# Altium PCB PCB1.PcbDoc (part 2 of 3) (continued)
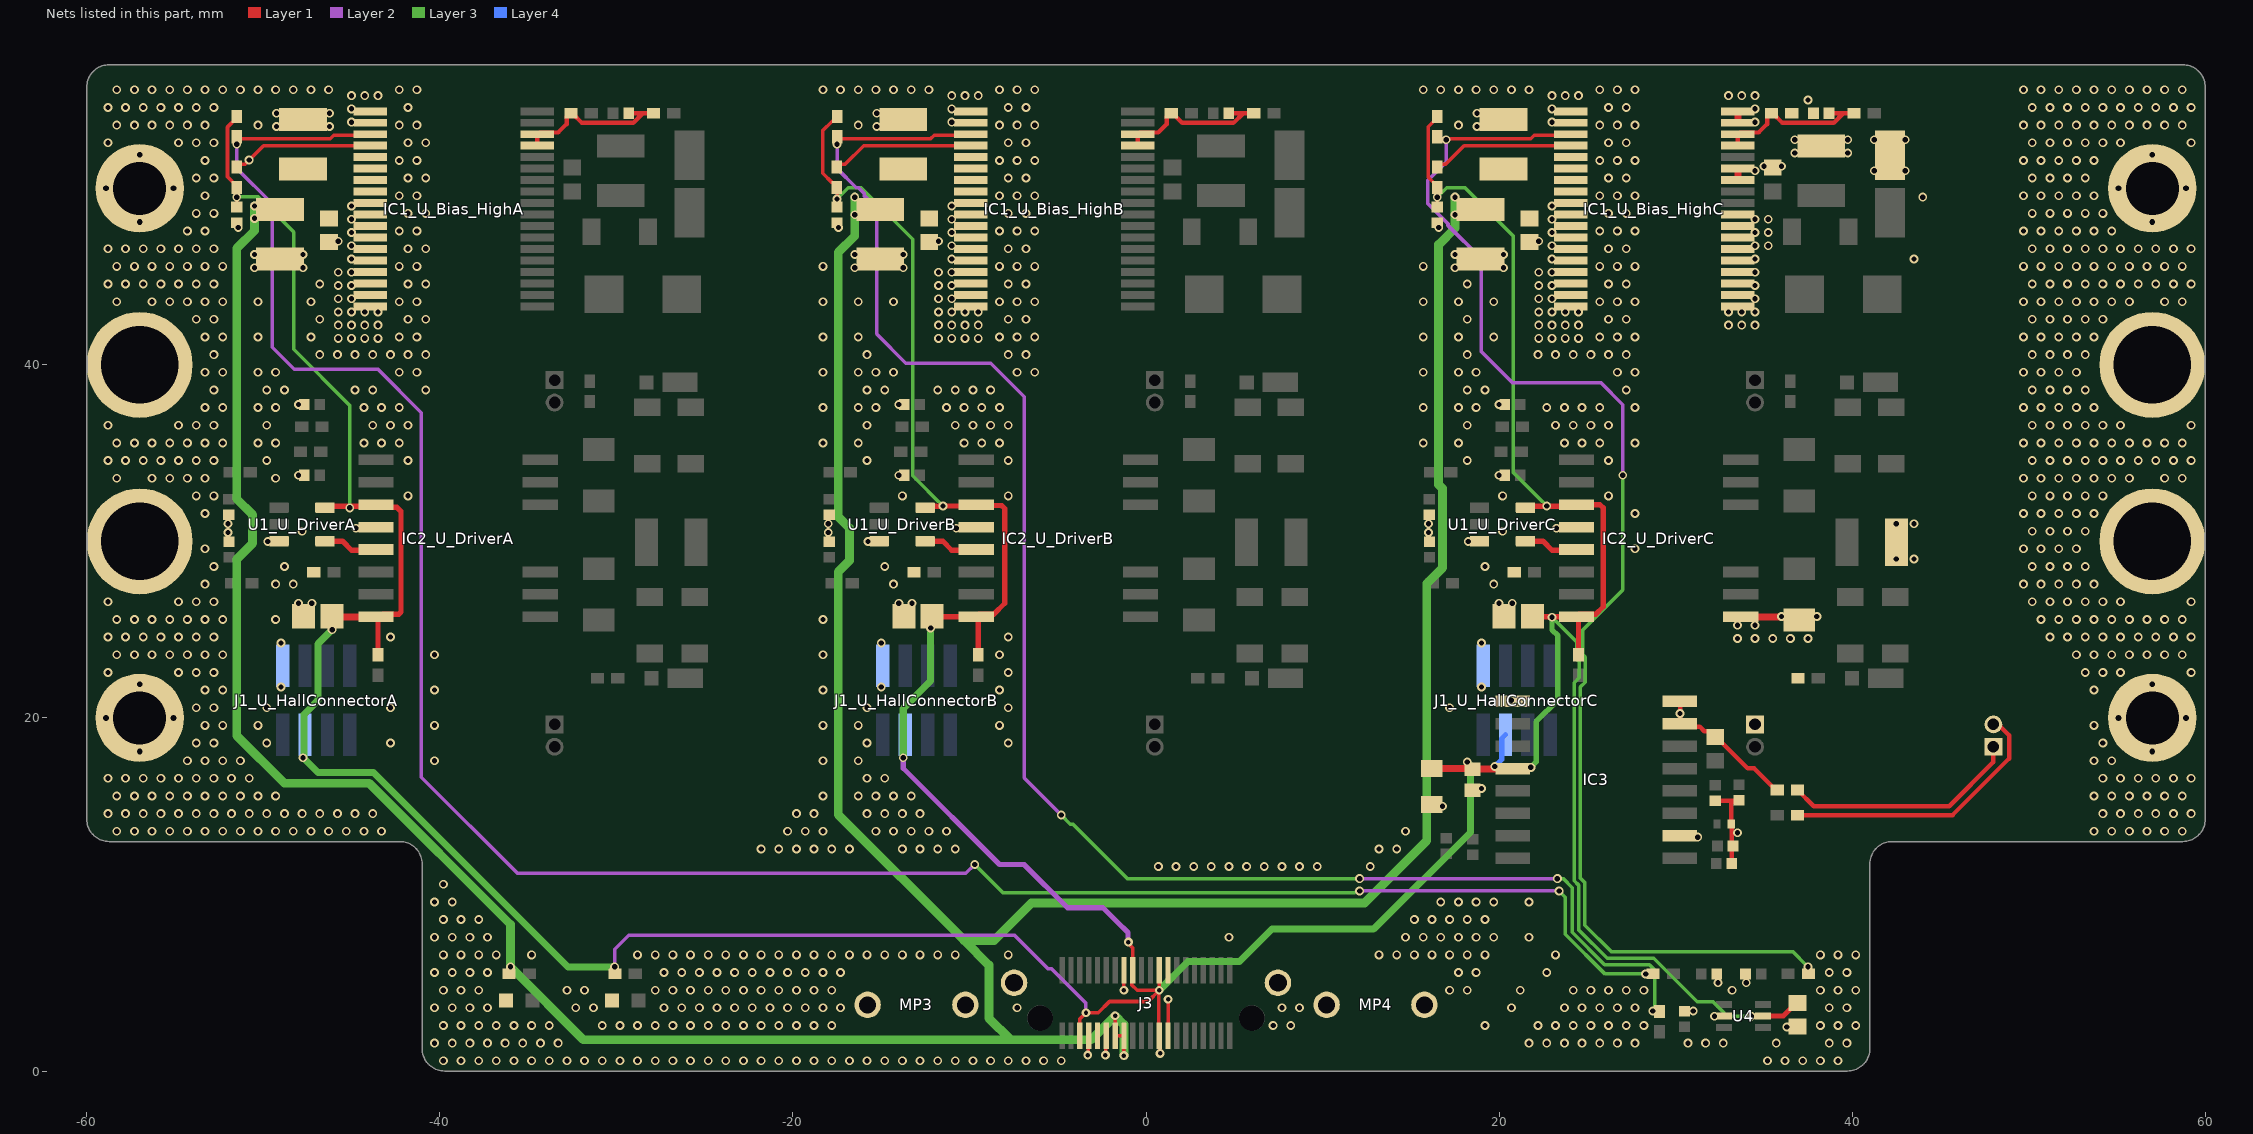
[diagram p4: the nets of this part, all layers, seen from the top]
## Part data (continued)
R5 R7: library part "WR04X100 JTL", "RES 10 OHM 5% 1/16W 0402", Device Package="0402 (1005 Metric)", Manufacturer="Walsin Technology Corporation", Operating Temperature="-55°C ~ 155°C", Power (Watts)="0.063W, 1/16W", Supplier Device Package=0402, Supplier Part Number 1=1292-WR04X100JTLCT-ND, Temperature Coefficient="-200/ +400ppm/°C", Tolerance=±5%, componentlink1description=Datasheet, componentlink1url=https://www.passivecomponent.com/wp-content/uploads/chipR/ASC_WR.pdf, ComponentLink2Description="DigiKey Link", ComponentLink2URL=https://www.digikey.com/en/products/detail/walsin-technology-corporation/WR04X100-JTL/13241174, Composition="Thick Film", Height - Seated (Max)="0.016\" (0.40mm)", lastupdated="2/9/2024 8:28:55 PM", Lifecycle Status=Active, Minimum Order=1, Number of Terminations=2, Package / Case="0402 (1005 Metric)", packaging=CutTape, Part Number="WR04X100 JTL", Part Status=Active, partid=64776, Price=0.01, Resistance="10 Ohms", Series=WR, Size / Dimension="0.039\" L x 0.020\" W (1.00mm x 0.50mm)", Supplier 1=DigiKey
U1_U_DriverA U1_U_DriverB U1_U_DriverC: library part CMP-0859-00172-4, "IC GATE NAND 1CH 2-INP SOT23-5", Ambient Temperature Range High=+125°C, Ambient Temperature Range Low=-40°C, Manufacturer="Texas Instruments", Max Junction Temp=+150°C, Max Supply Voltage=5.5V, Min Supply Voltage=2V, Nominal Supply Current=1uA, Package=DBV0005A, Temperature="-40°C to +125°C", Automotive=No, Category=IC, ComponentLink2Description=Datasheet, ComponentLink2URL=https://www.ti.com/lit/ds/symlink/sn74ahc1g00.pdf, Device Class L1="Integrated Circuits (ICs)", Device Class L2="Logic ICs", Device Class L3="Logic Gates", Digikey Description="IC GATE NAND 1CH 2-INP SOT23-5", Height=1.45mm, Lead Free=Yes, Logic Function Desc=NAND, Manufacturer Part Number=SN74AHC1G00DBVR, Number Of Circuits=1, Number Of Inputs=2, Number Of Outputs=1, Octopart=https://octopart.com/sn74ahc1g00dbvr-texas+instruments-464400, Propagation Delay=5.2ns, RoHS=TRUE, Standoff Height=0mm, Temperature Range High=+125°C, Temperature Range Low=-40°C
U4: library part CMP-0859-00464-4, "IC GATE OR 1CH 3-INP SC70-6", Ambient Temperature Range High=+125°C, Ambient Temperature Range Low=-40°C, Manufacturer="Texas Instruments", Max Supply Voltage=5.5V, Min Supply Voltage=1.65V, Nominal Supply Current=10uA, Package=DCK0006A, Temperature="-40°C to +125°C", Automotive=No, Category=IC, ComponentLink2Description=Datasheet, ComponentLink2URL=http://www.ti.com/lit/ds/symlink/sn74lvc1g332.pdf, Device Class L1="Integrated Circuits (ICs)", Device Class L2="Logic ICs", Device Class L3="Logic Gates", Digikey Description="IC GATE OR 1CH 3-INP SC70-6", Height=1.1mm, Lead Free=Yes, Logic Function Desc=Non-Inverting, Manufacturer Part Number=SN74LVC1G332DCKR, Mouser Description="Logic Gates Single 3-Input Pos- OR Gate", Number Of Circuits=1, Number Of Inputs=3, Number Of Outputs=1, Octopart=https://octopart.com/sn74lvc1g332dckr-texas+instruments-464861, Propagation Delay=20ns, RoHS=TRUE, Standoff Height=0mm, Temperature Range High=+125°C, Temperature Range Low=-40°C

## Via types
v1: diameter 0.5, hole 0.3, Layer 1 to Layer 4, tented both sides, 1424 vias
v2: diameter 0.5, hole 0.25, Layer 1 to Layer 4, tented both sides, 29 vias
v3: diameter 0.635, hole 0.33, Layer 1 to Layer 4, tented both sides, 12 vias
v4: diameter 0.635, hole 0.33, Layer 1 to Layer 4, 4 vias

## Nets (pads, with @x,y where several pads share a name; then routed paths per layer and width w, separated by ;. In a path a pad name is that pad's centre, name@x,y a point inside that pad or via, vN(x,y) a via of type N, cw(c..) or ccw(c..) an arc to the next point about the centre after c; other vN are vias at no path point)
3V: C1_U_Bias_HighA.2 C1_U_Bias_HighB.2 C1_U_Bias_HighC.2 C9_U_DriverA.2 C9_U_DriverB.2 C9_U_DriverC.2 C13.1 C24.1 C26.2 IC2_U_DriverA.3 IC2_U_DriverA.8 IC2_U_DriverB.3 IC2_U_DriverB.8 IC2_U_DriverC.3 IC2_U_DriverC.8 IC3.12 J1_U_HallConnectorA.4 J1_U_HallConnectorB.4 J1_U_HallConnectorC.4 J3.17 J3.18 J3.24 J3.35 R1_U_Bias_HighA.2 R1_U_Bias_HighB.2 R1_U_Bias_HighC.2 R18_U_HallConnectorA.1 R18_U_HallConnectorB.1 R18_U_HallConnectorC.1 R22_U_Bias_HighA.1 R22_U_Bias_HighB.1 R22_U_Bias_HighC.1 R27.2 U1_U_DriverA.5 U1_U_DriverB.5 U1_U_DriverC.5 U4.5 | length 305.1
  Layer 1 w0.2: R1_U_Bias_HighA.2@-51.509,50.054 R1_U_Bias_HighA.2@-51.5,50.045 ; C1_U_Bias_HighA.2@-51.5,48.94 v1(-51.5,49.5) R1_U_Bias_HighA.2@-51.5,50.045 ; R22_U_Bias_HighA.1@-51.5,54.075 -51.5,54 -52.028,53.472 -52.028,50.648 -51.5,50.12 R1_U_Bias_HighA.2@-51.5,50.045 ; C1_U_Bias_HighB.2@-17.5,48.94 v1(-17.5,49.4) -17.5,50.12 -17.709,50.329 -17.784,50.329 -18.3,50.845 -18.3,53.275 -17.775,53.8 -17.7,53.8 -17.5,54 R22_U_Bias_HighB.1@-17.5,54.075 ; R1_U_Bias_HighC.2@16.491,50.054 R1_U_Bias_HighC.2@16.5,50.045 ; C1_U_Bias_HighC.2@16.5,48.94 v1(16.5,49.5) R1_U_Bias_HighC.2@16.5,50.045 ; R22_U_Bias_HighC.1@16.5,54.075 16.5,54 15.99,53.49 15.99,50.63 16.5,50.12 R1_U_Bias_HighC.2@16.5,50.045
  Layer 1 w0.203: J3.35@-3.75,2 -3.75,2.95 v2(-3.4,3.3) -2.7,3.3 -2.063,3.937 0.114,3.937 v2(0.75,4.573) ; v2(-1,7.3) -1,7.22 -0.75,6.97 J3.24@-0.75,5.7 ; J3.24@-0.8,5.1 -0.8,4.872 -0.501,4.573 v2(0.75,4.573) ; J3.18@0.75,5.7 v2(0.75,4.573) ; v2(0.8,1) 0.775,1.025 0.775,1.975 J3.17@0.75,2 0.721,2.029 0.721,4.521 0.8,4.6 0.777,4.6 v2(0.75,4.573)
  Layer 1 w0.3: U1_U_DriverA.5@-46.507,31.912 -46.423,31.996 -43.754,31.996 IC2_U_DriverA.3@-43.75,32 ; C9_U_DriverA.2@-46,25.75 C9_U_DriverA.2@-45.98,25.73 ; IC2_U_DriverA.8@-43.7,25.8 IC2_U_DriverA.8@-43.63,25.73 ; IC2_U_DriverA.8@-43.614,25.73 IC2_U_DriverA.8@-43.63,25.73 ; IC2_U_DriverA.3@-43.614,32.08 -43.464,31.93 -42.43,31.93 -42.2,31.7 -42.2,26 -42.32,25.88 -43.22,25.88 IC2_U_DriverA.8@-43.3,25.8 ; R18_U_HallConnectorA.1@-43.5,23.575 -43.5,25.6 IC2_U_DriverA.8@-43.63,25.73 ; U1_U_DriverB.5@-12.507,31.912 -12.423,31.996 v1@-11.5,31.996 ; C9_U_DriverB.2@-12,25.75 -11.98,25.73 IC2_U_DriverB.8@-9.614,25.73 -9.464,25.88 -8.62,25.88 -8,26.5 -8,31.864 -8.176,32.04 -9.574,32.04 IC2_U_DriverB.3@-9.614,32.08 -9.694,32 v1(-11.5,32) ; R18_U_HallConnectorB.1@-9.5,23.575 IC2_U_DriverB.8@-9.5,25.7 ; U1_U_DriverC.5@21.493,31.912 21.577,31.996 24.246,31.996 IC2_U_DriverC.3@24.25,32 ; C9_U_DriverC.2@22,25.75 22.02,25.73 IC2_U_DriverC.8@24.386,25.73 24.536,25.88 25.48,25.88 25.9,26.3 25.9,31.9 25.72,32.08 IC2_U_DriverC.3@24.386,32.08 ; R18_U_HallConnectorC.1@24.5,23.575 IC2_U_DriverC.8@24.5,25.7 ; U4.5@34.949,3.112 36.099,3.112 36.8,3.813 C26.2@36.8,4
  Layer 1 w0.4: C9_U_DriverA.2@-45.98,25.73 IC2_U_DriverA.8@-43.63,25.73 ; C13.1@16.19,17.14 16.192,17.137 18.5,17.137 18.52,17.117 v1@19.75,17.117 ; v1(19.75,17.25) 19.769,17.231 20.679,17.231 IC3.12@20.775,17.135
  Layer 2 w0.203: v1(-30.1,5.9) -30.1,6.9 -29.301,7.699 -7.446,7.699 -5.55,5.803 -5.354,5.803 -3.406,3.855 -3.406,3.306 v2(-3.4,3.3)
  Layer 2 w0.3: v1(-13.75,17.75) -13.75,17.15 -8.3,11.7 -6.9,11.7 -4.449,9.249 -2.432,9.249 -1.669,8.486 -1.022,7.839 -1.022,7.322 v2(-1,7.3)
  Layer 3 w0.2: v1(-51.5,49.5) -51.472,49.528 -50.281,49.528 -48.278,47.524 -48.278,40.878 -45.1,37.7 -45.1,32 v1@-45,31.9 ; v1(-17.5,49.4) -16.872,50.028 -16.128,50.028 -13.222,47.122 -13.222,33.722 v1(-11.5,32) ; v1(16.5,49.5) 17.028,50.028 18.072,50.028 20.8,47.3 20.8,33.9 22.602,32.098 v1@22.602,32.002 ; v1(23,25.7) 24.398,24.302 24.398,23.354 24.528,23.224 24.528,22.281 24.25,22.004 24.25,10.787 24.5,10.537 24.5,8 26.12,6.38 28.766,6.38 31.219,3.928 32.119,3.928 32.728,3.319 32.728,3.217 32.845,3.1 v1(34.3,3.1)
  Layer 3 w0.3: v1(21.8,17.2) 22.1,17.5 22.1,19.8 23.328,21.028 23.328,24.664 23,24.992 v1(23,25.7)
  Layer 3 w0.4: v1(-47.75,17.75) v1@-47.7,17.7 ; v1(-46.1,25) -46.9,24.2 -46.9,21 -47.7,20.2 v1@-47.7,17.7 ; v1(-30.1,5.9) -32.748,5.9 -43.75,16.902 -46.902,16.902 v1@-47.7,17.7 ; v1(-13.75,17.75) -13.75,20.536 -12.2,22.086 v1(-12.2,25.1) ; v2(0.75,4.573) 2.377,6.2 3.989,6.2 4.51,6.199 ; 4.511,6.2 5.297,6.2 7.135,8.038 12.898,8.038 18.372,13.512 18.372,17.301 18.219,17.454 v1@18.246,17.48
  Layer 4 w0.3: v1(19.75,17.25) 20.149,17.649 20.149,18.834 J1_U_HallConnectorC.4@20.365,19.05
  other v1: 18.2,17.5 -45.1,31.9 22.7,32
12V: C5_U_Bias_HighA.2 C5_U_Bias_HighB.2 C5_U_Bias_HighC.2 C6_U_Bias_HighA.1 C6_U_Bias_HighB.1 C6_U_Bias_HighC.1 C7_U_Bias_HighA.1 C7_U_Bias_HighB.1 C7_U_Bias_HighC.1 IC1_U_Bias_HighA.6 IC1_U_Bias_HighA.7 IC1_U_Bias_HighB.6 IC1_U_Bias_HighB.7 IC1_U_Bias_HighC.6 IC1_U_Bias_HighC.7 J3.25 J3.27 R26.2 | length 213.7
  Layer 1 w0.203: J3.27@-1.75,2 v2(-1.75,3.127) ; J3.27@-1.7,2 J3.25@-1.25,2 v2(-1.25,0.873)
  Layer 3 w0.5: v1(-50.5,49) v1(-50.5,48.3) -50.5,47.6 -51.5,46.6 -51.5,32.4 -50.607,31.507 -50.607,29.893 -51.5,29 -51.5,19 -48.8,16.3 -44,16.3 -36,8.3 v1(-36,5.9) -31.871,1.771 -7.671,1.771 ; v1(-16.5,49.5) v1(-16.5,48.5) -16.5,47.3 -17.428,46.372 -17.428,31.386 -16.8,30.759 -16.8,28.909 -17.428,28.281 -17.428,14.528 -10.3,7.4 ; v2(-1.25,0.873) -1.25,2.627 v2(-1.75,3.127) -3.106,1.771 -7.671,1.771 ; v1(17.5,49.5) v1(17.5,48.5) 17.5,47.738 16.572,46.81 16.572,33.219 16.8,32.991 16.8,28.509 15.9,27.609 15.9,13.041 12.381,9.522 -6.478,9.522 -8.6,7.4 -10.3,7.4 ; -10.3,7.4 -8.9,6 -8.9,3 -7.671,1.771
EN_U_DriverA: IC2_U_DriverA.5 U1_U_DriverA.4 | length 2.7
  Layer 1 w0.3: U1_U_DriverA.4@-46.507,30.012 -45.512,30.012 -45,29.5 IC2_U_DriverA.5@-44,29.5
EN_U_DriverB: IC2_U_DriverB.5 U1_U_DriverB.4 | length 2.7
  Layer 1 w0.3: U1_U_DriverB.4@-12.507,30.012 -11.512,30.012 -11,29.5 IC2_U_DriverB.5@-10,29.5
EN_U_DriverC: IC2_U_DriverC.5 U1_U_DriverC.4 | length 2.7
  Layer 1 w0.3: U1_U_DriverC.4@21.493,30.012 22.488,30.012 23,29.5 IC2_U_DriverC.5@24,29.5
ENA_U_Bias_HighA: IC1_U_Bias_HighA.4 R1_U_Bias_HighA.1 | length 8.1
  Layer 1 w0.2: R1_U_Bias_HighA.1@-51.509,51.204 -51.338,51.374 -51.026,51.374 -49.986,52.414 IC1_U_Bias_HighA.4@-43.929,52.414
  other v1: -50.8,51.6
ENA_U_Bias_HighB: IC1_U_Bias_HighB.4 R1_U_Bias_HighB.1 | length 8.1
  Layer 1 w0.2: R1_U_Bias_HighB.1@-17.509,51.204 -17.338,51.374 -17.026,51.374 -15.986,52.414 IC1_U_Bias_HighB.4@-9.929,52.414
ENA_U_Bias_HighC: IC1_U_Bias_HighC.4 R1_U_Bias_HighC.1 | length 8.1
  Layer 1 w0.2: R1_U_Bias_HighC.1@16.491,51.204 16.662,51.374 16.974,51.374 18.014,52.414 IC1_U_Bias_HighC.4@24.071,52.414
FAULT_U_Bias_HighA: IC1_U_Bias_HighA.3 R19.1 R22_U_Bias_HighA.2 | length 126.3
  Layer 1 w0.2: R22_U_Bias_HighA.2@-51.5,52.925 -51.375,52.8 -46.204,52.8 -46.004,53 IC1_U_Bias_HighA.3@-44,53
  Layer 2 w0.2: v1(-51.5,52.5) -51.5,51.12 -49.5,49.12 -49.5,41 -48.25,39.75 -43.5,39.75 -41.046,37.296 -41.046,16.646 -35.6,11.2 -10.2,11.2 v1(-9.7,11.7) ; v1(12.1,10.2) v1(23.4,10.2)
  Layer 3 w0.2: v1(-9.7,11.7) -8.1,10.1 11.833,10.1 11.875,10.143 12.043,10.143 v1(12.1,10.2) ; v1(23.4,10.2) 23.75,9.85 23.75,7.753 26.003,5.5 v1(28.3,5.5)
FAULT_U_Bias_HighB: IC1_U_Bias_HighB.3 R20.1 R22_U_Bias_HighB.2 | length 94.8
  Layer 1 w0.2: R22_U_Bias_HighB.2@-17.5,52.925 -17.375,52.8 -12.204,52.8 -12.004,53 IC1_U_Bias_HighB.3@-10,53
  Layer 2 w0.2: v1(-17.5,52.5) -17.5,51.12 -16.408,50.028 -16.281,50.028 -15.972,49.719 -15.972,49.592 -15.25,48.87 -15.25,41.75 -13.6,40.1 -8.8,40.1 -6.9,38.2 -6.9,16.6 v1@-4.9,14.6 ; v1(12.1,10.9) v1(23.3,10.9)
  Layer 3 w0.2: v1(-4.8,14.5) -4.283,13.983 -4.134,13.983 -1.051,10.9 v1(12.1,10.9) ; v1(23.3,10.9) 23.32,10.88 23.658,10.88 24.148,10.391 24.148,7.854 25.974,6.028 28.519,6.028 28.828,5.719 28.828,3.328 v1@28.8,3.3
  other v1: 28.7,3.4
FAULT_U_Bias_HighC: IC1_U_Bias_HighC.3 R21.1 R22_U_Bias_HighC.2 | length 74.8
  Layer 1 w0.2: R22_U_Bias_HighC.2@16.5,52.925 16.625,52.8 21.796,52.8 21.996,53 IC1_U_Bias_HighC.3@24,53
  Layer 2 w0.2: v1(17,52.75) 17,51.489 15.972,50.461 15.972,49.129 17.107,47.994 17.107,47.896 19,46.004 19,40.75 20.75,39 25.75,39 27,37.75 v1(27,33.75)
  Layer 3 w0.2: v1(27,33.75) 27,27.25 24.75,25 24.75,23.579 24.88,23.449 24.88,22.028 24.602,21.75 24.602,10.933 24.852,10.683 24.852,8.265 26.367,6.75 36.65,6.75 37.402,5.998 v1@37.498,5.998
  other v1: 37.5,5.9
FBVDD_U_Bias_HighA: C4_U_Bias_HighA.2 IC1_U_Bias_HighA.33 IC1_U_Bias_HighA.34 R2_U_Bias_HighA.1 R6_U_Bias_HighA.2 | length 9.1
  Layer 1 w0.254: IC1_U_Bias_HighA.34@-34.5,53 -34.479,52.979 IC1_U_Bias_HighA.33@-34.479,52.414 ; IC1_U_Bias_HighA.34@-34.479,53.064 -34.381,53.162 -33.304,53.162 -32.823,53.642 -32.823,54.077 -32.65,54.25 -32.5,54.25 -31.951,53.701 -29.049,53.701 -28.5,54.25 ; C4_U_Bias_HighA.2@-29.31,54.25 -28.5,54.25 ; R2_U_Bias_HighA.1@-28,54.25 -28.5,54.25
FBVDD_U_Bias_HighB: C4_U_Bias_HighB.2 IC1_U_Bias_HighB.33 IC1_U_Bias_HighB.34 R2_U_Bias_HighB.1 R6_U_Bias_HighB.2 | length 9.1
  Layer 1 w0.254: IC1_U_Bias_HighB.34@-0.5,53 -0.479,52.979 IC1_U_Bias_HighB.33@-0.479,52.414 ; IC1_U_Bias_HighB.34@-0.479,53.064 -0.381,53.162 0.696,53.162 1.177,53.642 1.177,54.077 1.35,54.25 1.5,54.25 2.049,53.701 4.951,53.701 5.5,54.25 ; C4_U_Bias_HighB.2@4.69,54.25 5.5,54.25 ; R2_U_Bias_HighB.1@6,54.25 5.5,54.25
FBVDD_U_Bias_HighC: C4_U_Bias_HighC.2 IC1_U_Bias_HighC.33 IC1_U_Bias_HighC.34 R2_U_Bias_HighC.1 R6_U_Bias_HighC.2 | length 9.1
  Layer 1 w0.254: IC1_U_Bias_HighC.34@33.5,53 33.521,52.979 IC1_U_Bias_HighC.33@33.521,52.414 ; IC1_U_Bias_HighC.34@33.521,53.064 33.619,53.162 34.696,53.162 35.177,53.642 35.177,54.077 35.35,54.25 35.5,54.25 36.049,53.701 38.951,53.701 39.5,54.25 ; C4_U_Bias_HighC.2@38.69,54.25 39.5,54.25 ; R2_U_Bias_HighC.1@40,54.25 39.5,54.25
GND: C1_U_Bias_HighA.1 C1_U_Bias_HighB.1 C1_U_Bias_HighC.1 C5_U_Bias_HighA.1 C5_U_Bias_HighB.1 C5_U_Bias_HighC.1 C6_U_Bias_HighA.2 C6_U_Bias_HighB.2 C6_U_Bias_HighC.2 C7_U_Bias_HighA.2 C7_U_Bias_HighB.2 C7_U_Bias_HighC.2 C9_U_DriverA.1 C9_U_DriverB.1 C9_U_DriverC.1 C13.2 C15.1 C16.1 C17_U_DriverA.2 C17_U_DriverB.2 C17_U_DriverC.2 C20_U_DriverA.1 C20_U_DriverB.1 C20_U_DriverC.1 C22_U_DriverA.1 C22_U_DriverB.1 C22_U_DriverC.1 C23_U_DriverA.1 C23_U_DriverB.1 C23_U_DriverC.1 C24.2 C26.1 C28.1 C32.1 C33.1 C38.1 C39.1 D4.2 D5.2 IC1_U_Bias_HighA.1 IC1_U_Bias_HighA.2 IC1_U_Bias_HighA.5 IC1_U_Bias_HighA.8 IC1_U_Bias_HighA.9 IC1_U_Bias_HighA.10 IC1_U_Bias_HighA.11 IC1_U_Bias_HighA.12 IC1_U_Bias_HighA.13 IC1_U_Bias_HighA.14 IC1_U_Bias_HighA.15 IC1_U_Bias_HighA.16 IC1_U_Bias_HighA.17 IC1_U_Bias_HighA.18 IC1_U_Bias_HighB.1 IC1_U_Bias_HighB.2 IC1_U_Bias_HighB.5 IC1_U_Bias_HighB.8 IC1_U_Bias_HighB.9 IC1_U_Bias_HighB.10 IC1_U_Bias_HighB.11 IC1_U_Bias_HighB.12 IC1_U_Bias_HighB.13 IC1_U_Bias_HighB.14 IC1_U_Bias_HighB.15 IC1_U_Bias_HighB.16 IC1_U_Bias_HighB.17 IC1_U_Bias_HighB.18 IC1_U_Bias_HighC.1 IC1_U_Bias_HighC.2 IC1_U_Bias_HighC.5 IC1_U_Bias_HighC.8 IC1_U_Bias_HighC.9 IC1_U_Bias_HighC.10 IC1_U_Bias_HighC.11 IC1_U_Bias_HighC.12 IC1_U_Bias_HighC.13 IC1_U_Bias_HighC.14 IC1_U_Bias_HighC.15 IC1_U_Bias_HighC.16 IC1_U_Bias_HighC.17 IC1_U_Bias_HighC.18 IC2_U_DriverA.4 IC2_U_DriverB.4 IC2_U_DriverC.4 IC3.9 J1_U_HallConnectorA.1 J1_U_HallConnectorB.1 J1_U_HallConnectorC.1 J3.15 J3.16 J3.26 J3.29 J3.31 J3.33 J3.S1 J3.S2 MP1.3 MP2.1 MP3.1 MP4.1 MP5.1 MP6.1 R15_U_DriverA.2 R15_U_DriverB.2 R15_U_DriverC.2 U1_U_DriverA.3 U1_U_DriverB.3 U1_U_DriverC.3 U4.2 | length 5.5
  Layer 1 w0.203: v2(-3.3,0.9) -3.275,0.925 -3.275,1.975 J3.33@-3.25,2 ; J3.31@-2.775,1.975 J3.31@-2.75,2 ; v2(-2.3,0.9) -2.275,0.925 -2.275,1.975 J3.29@-2.25,2 ; v2(-1.25,4.573) J3.26@-1.25,5.7 ; J3.15@1.25,2 v2(1.25,4.064)
  other v1: -39.8,0.58 -38.8,0.58 -37.8,0.58 -36.8,0.58 -35.8,0.58 -34.8,0.58 -33.8,0.58 -32.8,0.58 -31.8,0.58 -30.8,0.58 -29.8,0.58 -28.8,0.58 -27.8,0.58 -26.8,0.58 -25.8,0.58 -24.8,0.58 -23.8,0.58 -22.8,0.58 -21.8,0.58 -20.8,0.58 -19.8,0.58 -18.8,0.58 -17.8,0.58 -16.8,0.58 -15.8,0.58 -14.8,0.58 -13.8,0.58 -12.8,0.58 -11.8,0.58 -10.8,0.58 -9.8,0.58 -8.8,0.58 -7.8,0.58 -6.8,0.58 -5.8,0.58 -4.8,0.58 35.2,0.58 36.2,0.58 37.2,0.58 38.2,0.58 39.2,0.58 -40.3,1.58 -39.3,1.58 -38.3,1.58 -37.3,1.58 -36.3,1.58 -35.3,1.58 -34.3,1.58 -33.3,1.58 21.7,1.58 22.7,1.58 23.7,1.58 24.7,1.58 25.7,1.58 26.7,1.58 27.7,1.58 30.7,1.58 31.7,1.58 32.7,1.58 35.7,1.58 38.7,1.58 39.7,1.58 36.3,2.5 -39.8,2.58 -38.8,2.58 -37.8,2.58 -36.8,2.58 -35.8,2.58 -34.8,2.58 -33.8,2.58 -30.8,2.58 -29.8,2.58 -28.8,2.58 -27.8,2.58 -26.8,2.58 -25.8,2.58 -24.8,2.58 -23.8,2.58 -22.8,2.58 -21.8,2.58 -20.8,2.58 -19.8,2.58 -18.8,2.58 -17.8,2.58 7.2,2.58 8.2,2.58 19.2,2.58 22.2,2.58 23.2,2.58 24.2,2.58 25.2,2.58 26.2,2.58 27.2,2.58 28.2,2.58 38.2,2.58 39.2,2.58 40.2,2.58 32.2,3.1 31,3.4 -40.3,3.58 -39.3,3.58 -38.3,3.58 -37.3,3.58 -32.3,3.58 -31.3,3.58 -27.3,3.58 -26.3,3.58 -25.3,3.58 -24.3,3.58 -23.3,3.58 -22.3,3.58 -21.3,3.58 -20.3,3.58 -19.3,3.58 -18.3,3.58 -17.3,3.58 -7.3,3.58 7.7,3.58 8.7,3.58 20.7,3.58 23.7,3.58 24.7,3.58 25.7,3.58 26.7,3.58 27.7,3.58 38.7,3.58 39.7,3.58 -39.8,4.58 -38.8,4.58 -37.8,4.58 -32.8,4.58 -31.8,4.58 -27.8,4.58 -26.8,4.58 -25.8,4.58 -24.8,4.58 -23.8,4.58 -22.8,4.58 -21.8,4.58 -20.8,4.58 -19.8,4.58 -18.8,4.58 -17.8,4.58 17.2,4.58 18.2,4.58 21.2,4.58 24.2,4.58 25.2,4.58 26.2,4.58 27.2,4.58 28.2,4.58 33.2,4.58 38.2,4.58 39.2,4.58 40.2,4.58 32.4,5 34,5 -40.3,5.58 -39.3,5.58 -38.3,5.58 -37.3,5.58 -27.3,5.58 -26.3,5.58 -25.3,5.58 -24.3,5.58 -23.3,5.58 -22.3,5.58 -21.3,5.58 -20.3,5.58 -19.3,5.58 -18.3,5.58 -17.3,5.58 17.7,5.58 18.7,5.58 22.7,5.58 38.7,5.58 39.7,5.58 -39.8,6.58 -38.8,6.58 -37.8,6.58 -36.8,6.58 -34.8,6.58 -28.8,6.58 -27.8,6.58 -26.8,6.58 -25.8,6.58 -24.8,6.58 -23.8,6.58 -22.8,6.58 -21.8,6.58 -20.8,6.58 -19.8,6.58 -18.8,6.58 -17.8,6.58 -16.8,6.58 -15.8,6.58 -14.8,6.58 -13.8,6.58 -12.8,6.58 -11.8,6.58 -10.8,6.58 -7.8,6.58 13.2,6.58 14.2,6.58 15.2,6.58 16.2,6.58 17.2,6.58 18.2,6.58 19.2,6.58 23.2,6.58 38.2,6.58 39.2,6.58 40.2,6.58 -40.3,7.58 -39.3,7.58 -38.3,7.58 -37.3,7.58 4.7,7.58 14.7,7.58 15.7,7.58 16.7,7.58 17.7,7.58 18.7,7.58 19.7,7.58 21.7,7.58 -39.8,8.58 -38.8,8.58 -37.8,8.58 15.2,8.58 16.2,8.58 17.2,8.58 18.2,8.58 19.2,8.58 -40.3,9.58 -39.3,9.58 16.7,9.58 17.7,9.58 18.7,9.58 19.7,9.58 21.7,9.58 -39.8,10.58 0.7,11.58 1.7,11.58 2.7,11.58 3.7,11.58 4.7,11.58 5.7,11.58 6.7,11.58 7.7,11.58 8.7,11.58 9.7,11.58 12.7,11.58 -21.8,12.58 -20.8,12.58 -19.8,12.58 -18.8,12.58 -17.8,12.58 -16.8,12.58 -13.8,12.58 -12.8,12.58 -11.8,12.58 -10.8,12.58 13.2,12.58 14.2,12.58 -58.3,13.58 -57.3,13.58 -56.3,13.58 -55.3,13.58 -54.3,13.58 -53.3,13.58 -52.3,13.58 -51.3,13.58 -50.3,13.58 -49.3,13.58 -48.3,13.58 -47.3,13.58 -46.3,13.58 -45.3,13.58 -44.3,13.58 -43.3,13.58 -20.3,13.58 -19.3,13.58 -18.3,13.58 -15.3,13.58 -14.3,13.58 -13.3,13.58 -12.3,13.58 -11.3,13.58 14.7,13.58 53.7,13.58 54.7,13.58 55.7,13.58 56.7,13.58 57.7,13.58 58.7,13.58 -58.8,14.58 -57.8,14.58 -56.8,14.58 -55.8,14.58 -54.8,14.58 -53.8,14.58 -52.8,14.58 -51.8,14.58 -50.8,14.58 -49.8,14.58 -48.8,14.58 -47.8,14.58 -46.8,14.58 -45.8,14.58 -44.8,14.58 -43.8,14.58 -19.8,14.58 -18.8,14.58 -15.8,14.58 -14.8,14.58 -13.8,14.58 -12.8,14.58 54.2,14.58 55.2,14.58 56.2,14.58 57.2,14.58 58.2,14.58 59.2,14.58 16.8,15 -58.3,15.58 -57.3,15.58 -56.3,15.58 -55.3,15.58 -54.3,15.58 -53.3,15.58 -52.3,15.58 -51.3,15.58 -50.3,15.58 -49.3,15.58 -18.3,15.58 -16.3,15.58 -15.3,15.58 -14.3,15.58 -13.3,15.58 53.7,15.58 54.7,15.58 55.7,15.58 56.7,15.58 57.7,15.58 58.7,15.58 19,16 -58.8,16.58 -57.8,16.58 -56.8,16.58 -55.8,16.58 -54.8,16.58 -53.8,16.58 -52.8,16.58 -51.8,16.58 -50.8,16.58 -15.8,16.58 -14.8,16.58 54.2,16.58 55.2,16.58 56.2,16.58 57.2,16.58 58.2,16.58 59.2,16.58 -54.3,17.58 -53.3,17.58 -52.3,17.58 -51.3,17.58 -40.3,17.58 -18.3,17.58 -16.3,17.58 53.7,17.58 54.7,17.58 -53.8,18.58 -52.8,18.58 -49.8,18.58 -42.8,18.58 -15.8,18.58 -7.8,18.58 54.2,18.58 -53.3,19.58 -52.3,19.58 -50.3,19.58 -40.3,19.58 -18.3,19.58 -16.3,19.58 -8.3,19.58 53.7,19.58 -53.8,20.58 -52.8,20.58 -49.8,20.58 -42.8,20.58 -15.8,20.58 -7.8,20.58 17.2,20.58 20.7,21 -53.3,21.58 -52.3,21.58 -40.3,21.58 -18.3,21.58 -8.3,21.58 53.7,21.58 -49,21.75 -15,21.75 19,21.75 -58.8,22.58 -54.8,22.58 -53.8,22.58 -52.8,22.58 -7.8,22.58 53.2,22.58 54.2,22.58 55.2,22.58 59.2,22.58 -58.3,23.58 -57.3,23.58 -56.3,23.58 -55.3,23.58 -54.3,23.58 -53.3,23.58 -52.3,23.58 -40.3,23.58 -18.3,23.58 -8.3,23.58 52.7,23.58 53.7,23.58 54.7,23.58 55.7,23.58 56.7,23.58 57.7,23.58 58.7,23.58 -49,24.25 -15,24.25 19,24.25 -58.8,24.58 -57.8,24.58 -56.8,24.58 -55.8,24.58 -54.8,24.58 -53.8,24.58 -52.8,24.58 -42.8,24.58 -7.8,24.58 51.2,24.58 52.2,24.58 53.2,24.58 54.2,24.58 55.2,24.58 56.2,24.58 57.2,24.58 58.2,24.58 59.2,24.58 -58.3,25.58 -57.3,25.58 -56.3,25.58 -55.3,25.58 -54.3,25.58 -53.3,25.58 -52.3,25.58 -49.3,25.58 -18.3,25.58 50.7,25.58 51.7,25.58 52.7,25.58 53.7,25.58 54.7,25.58 55.7,25.58 56.7,25.58 57.7,25.58 58.7,25.58 -48,26.5 -47.25,26.5 -14,26.5 -13.25,26.5 20,26.5 20.75,26.5 -58.8,26.58 -54.8,26.58 -53.8,26.58 -52.8,26.58 50.2,26.58 51.2,26.58 52.2,26.58 53.2,26.58 54.2,26.58 55.2,26.58 59.2,26.58 -53.3,27.58 -49.3,27.58 -48.3,27.58 -14.3,27.58 19.7,27.58 49.7,27.58 50.7,27.58 51.7,27.58 52.7,27.58 53.7,27.58 -52.8,28.58 -48.8,28.58 -14.8,28.58 19.2,28.58 50.2,28.58 51.2,28.58 52.2,28.58 53.2,28.58 -53.3,29.58 27.7,29.58 49.7,29.58 50.7,29.58 51.7,29.58 52.7,29.58 -49.75,30 -15.75,30 18.25,30 -52,30.5 -18,30.5 16,30.5 -47.8,30.58 20.2,30.58 50.2,30.58 51.2,30.58 52.2,30.58 53.2,30.58 -44.75,30.75 -10.75,30.75 23.25,30.75 -52,31 -18,31 16,31 -53.3,31.58 27.7,31.58 49.7,31.58 50.7,31.58 51.7,31.58 52.7,31.58 53.7,31.58 -53.8,32.58 -52.8,32.58 -41.8,32.58 -13.8,32.58 -7.8,32.58 20.2,32.58 26.2,32.58 50.2,32.58 51.2,32.58 52.2,32.58 53.2,32.58 54.2,32.58 -58.3,33.58 -56.3,33.58 -55.3,33.58 -54.3,33.58 -53.3,33.58 -49.3,33.58 49.7,33.58 50.7,33.58 51.7,33.58 52.7,33.58 53.7,33.58 54.7,33.58 55.7,33.58 57.7,33.58 58.7,33.58 -48,33.75 -14,33.75 20,33.75 -58.8,34.58 -57.8,34.58 -56.8,34.58 -55.8,34.58 -54.8,34.58 -53.8,34.58 -52.8,34.58 -49.8,34.58 -41.8,34.58 -15.8,34.58 -7.8,34.58 18.2,34.58 26.2,34.58 50.2,34.58 51.2,34.58 52.2,34.58 53.2,34.58 54.2,34.58 55.2,34.58 56.2,34.58 57.2,34.58 58.2,34.58 59.2,34.58 -58.3,35.58 -57.3,35.58 -56.3,35.58 -55.3,35.58 -54.3,35.58 -53.3,35.58 -52.3,35.58 -50.3,35.58 -49.3,35.58 -44.3,35.58 -43.3,35.58 -42.3,35.58 -18.3,35.58 -16.3,35.58 -10.3,35.58 -9.3,35.58 -8.3,35.58 15.7,35.58 17.7,35.58 23.7,35.58 24.7,35.58 25.7,35.58 27.7,35.58 49.7,35.58 50.7,35.58 51.7,35.58 52.7,35.58 53.7,35.58 54.7,35.58 55.7,35.58 56.7,35.58 57.7,35.58 58.7,35.58 -58.8,36.58 -54.8,36.58 -53.8,36.58 -52.8,36.58 -49.8,36.58 -43.8,36.58 -42.8,36.58 -41.8,36.58 -15.8,36.58 -10.8,36.58 -9.8,36.58 -8.8,36.58 -7.8,36.58 18.2,36.58 23.2,36.58 24.2,36.58 25.2,36.58 26.2,36.58 50.2,36.58 51.2,36.58 52.2,36.58 53.2,36.58 54.2,36.58 55.2,36.58 59.2,36.58 -53.3,37.58 -52.3,37.58 -50.3,37.58 -49.3,37.58 -44.3,37.58 -43.3,37.58 -42.3,37.58 -18.3,37.58 -16.3,37.58 -15.3,37.58 -11.3,37.58 -10.3,37.58 -9.3,37.58 -8.3,37.58 15.7,37.58 17.7,37.58 18.7,37.58 22.7,37.58 23.7,37.58 24.7,37.58 25.7,37.58 27.7,37.58 49.7,37.58 50.7,37.58 51.7,37.58 52.7,37.58 53.7,37.58 -48,37.75 -14,37.75 20,37.75 -52.8,38.58 -49.8,38.58 -48.8,38.58 -44.8,38.58 -43.8,38.58 -40.8,38.58 -15.8,38.58 -14.8,38.58 -11.8,38.58 -10.8,38.58 -9.8,38.58 -8.8,38.58 18.2,38.58 19.2,38.58 27.2,38.58 50.2,38.58 51.2,38.58 52.2,38.58 53.2,38.58 -53.3,39.58 -52.3,39.58 -50.3,39.58 -49.3,39.58 -42.3,39.58 -41.3,39.58 -18.3,39.58 -16.3,39.58 -15.3,39.58 -14.3,39.58 -7.3,39.58 -6.3,39.58 15.7,39.58 17.7,39.58 18.7,39.58 26.7,39.58 27.7,39.58 49.7,39.58 50.7,39.58 51.7,39.58 52.7,39.58 -52.8,40.58 -46.8,40.58 -45.8,40.58 -44.8,40.58 -43.8,40.58 -42.8,40.58 -41.8,40.58 -40.8,40.58 -15.8,40.58 -7.8,40.58 -6.8,40.58 18.2,40.58 22.2,40.58 23.2,40.58 24.2,40.58 25.2,40.58 26.2,40.58 27.2,40.58 50.2,40.58 51.2,40.58 52.2,40.58 53.2,40.58 -45.75,41.5 -45,41.5 -44.25,41.5 -43.5,41.5 -11.75,41.5 -11,41.5 -10.25,41.5 -9.5,41.5 22.25,41.5 23,41.5 23.75,41.5 24.5,41.5 -53.3,41.58 -52.3,41.58 -50.3,41.58 -47.3,41.58 -42.3,41.58 -41.3,41.58 -18.3,41.58 -16.3,41.58 -8.3,41.58 -7.3,41.58 -6.3,41.58 15.7,41.58 17.7,41.58 19.7,41.58 25.7,41.58 26.7,41.58 27.7,41.58 49.7,41.58 50.7,41.58 51.7,41.58 52.7,41.58 53.7,41.58 -45.75,42.25 -45,42.25 -44.25,42.25 -43.5,42.25 -11.75,42.25 -11,42.25 -10.25,42.25 -9.5,42.25 22.25,42.25 23,42.25 23.75,42.25 24.5,42.25 -53.8,42.58 -52.8,42.58 -46.8,42.58 -41.8,42.58 -40.8,42.58 -7.8,42.58 -6.8,42.58 18.2,42.58 26.2,42.58 27.2,42.58 50.2,42.58 51.2,42.58 52.2,42.58 53.2,42.58 54.2,42.58 -45.75,43 -45,43 -44.25,43 -43.5,43 -11.75,43 -11,43 -10.25,43 -9.5,43 22.25,43 23,43 23.75,43 24.5,43 -58.3,43.58 -56.3,43.58 -55.3,43.58 -54.3,43.58 -53.3,43.58 -52.3,43.58 -50.3,43.58 -47.3,43.58 -42.3,43.58 -41.3,43.58 -18.3,43.58 -16.3,43.58 -14.3,43.58 -8.3,43.58 -7.3,43.58 -6.3,43.58 15.7,43.58 17.7,43.58 19.7,43.58 25.7,43.58 26.7,43.58 27.7,43.58 49.7,43.58 50.7,43.58 51.7,43.58 52.7,43.58 53.7,43.58 54.7,43.58 55.7,43.58 57.7,43.58 58.7,43.58 -45.75,43.75 -45,43.75 -11.75,43.75 -11,43.75 22.25,43.75 23,43.75 -45.75,44.5 -45,44.5 -11.75,44.5 -11,44.5 22.25,44.5 23,44.5 -58.8,44.58 -57.8,44.58 -56.8,44.58 -55.8,44.58 -54.8,44.58 -53.8,44.58 -52.8,44.58 -46.8,44.58 -41.8,44.58 -40.8,44.58 -7.8,44.58 -6.8,44.58 18.2,44.58 26.2,44.58 27.2,44.58 50.2,44.58 51.2,44.58 52.2,44.58 53.2,44.58 54.2,44.58 55.2,44.58 56.2,44.58 57.2,44.58 58.2,44.58 59.2,44.58 -45.75,45.25 -45,45.25 -11.75,45.25 -11,45.25 22.25,45.25 23,45.25 -50.5,45.5 -47.75,45.5 -16.5,45.5 -13.75,45.5 17.5,45.5 20.25,45.5 -58.3,45.58 -57.3,45.58 -56.3,45.58 -55.3,45.58 -54.3,45.58 -53.3,45.58 -52.3,45.58 -42.3,45.58 -41.3,45.58 -18.3,45.58 -8.3,45.58 -7.3,45.58 -6.3,45.58 15.7,45.58 25.7,45.58 26.7,45.58 27.7,45.58 49.7,45.58 50.7,45.58 51.7,45.58 52.7,45.58 53.7,45.58 54.7,45.58 55.7,45.58 56.7,45.58 57.7,45.58 58.7,45.58 -45,46 -11,46 23,46 -50.5,46.25 -47.75,46.25 -16.5,46.25 -13.75,46.25 17.5,46.25 20.25,46.25 -58.8,46.58 -57.8,46.58 -56.8,46.58 -55.8,46.58 -54.8,46.58 -53.8,46.58 -52.8,46.58 -41.8,46.58 -40.8,46.58 -7.8,46.58 -6.8,46.58 26.2,46.58 27.2,46.58 50.2,46.58 51.2,46.58 52.2,46.58 53.2,46.58 54.2,46.58 55.2,46.58 56.2,46.58 57.2,46.58 58.2,46.58 59.2,46.58 -45,46.75 -11,46.75 23,46.75 -45.75,47 -11.75,47 22.25,47 -45,47.5 -11,47.5 23,47.5 -54.3,47.58 -53.3,47.58 -42.3,47.58 -41.3,47.58 -8.3,47.58 -7.3,47.58 -6.3,47.58 25.7,47.58 26.7,47.58 27.7,47.58 49.7,47.58 50.7,47.58 51.7,47.58 52.7,47.58 53.7,47.58 54.7,47.58 -51.421,47.775 -17.421,47.775 16.579,47.775 -45,48.25 -11,48.25 23,48.25 -53.8,48.58 -52.8,48.58 -41.8,48.58 -40.8,48.58 -7.8,48.58 -6.8,48.58 26.2,48.58 27.2,48.58 50.2,48.58 51.2,48.58 52.2,48.58 53.2,48.58 54.2,48.58 -45,49 -11,49 23,49 -53.3,49.58 -42.3,49.58 -41.3,49.58 -8.3,49.58 -7.3,49.58 -6.3,49.58 25.7,49.58 26.7,49.58 27.7,49.58 49.7,49.58 50.7,49.58 51.7,49.58 52.7,49.58 53.7,49.58 -53.8,50.58 -52.8,50.58 -41.8,50.58 -40.8,50.58 -7.8,50.58 -6.8,50.58 26.2,50.58 27.2,50.58 50.2,50.58 51.2,50.58 52.2,50.58 53.2,50.58 -53.3,51.58 -42.3,51.58 -41.3,51.58 -8.3,51.58 -7.3,51.58 -6.3,51.58 25.7,51.58 26.7,51.58 27.7,51.58 49.7,51.58 50.7,51.58 51.7,51.58 52.7,51.58 53.7,51.58 -58.8,52.58 -54.8,52.58 -53.8,52.58 -52.8,52.58 -41.8,52.58 -40.8,52.58 -7.8,52.58 -6.8,52.58 26.2,52.58 27.2,52.58 50.2,52.58 51.2,52.58 52.2,52.58 53.2,52.58 54.2,52.58 55.2,52.58 59.2,52.58 -49.25,53.5 -46.25,53.5 -15.25,53.5 18.75,53.5 -58.3,53.58 -57.3,53.58 -56.3,53.58 -55.3,53.58 -54.3,53.58 -53.3,53.58 -50.3,53.58 -42.3,53.58 -41.3,53.58 -16.3,53.58 -8.3,53.58 -7.3,53.58 -6.3,53.58 17.7,53.58 25.7,53.58 26.7,53.58 27.7,53.58 49.7,53.58 50.7,53.58 51.7,53.58 52.7,53.58 53.7,53.58 54.7,53.58 55.7,53.58 56.7,53.58 57.7,53.58 58.7,53.58 -45,53.75 -11,53.75 23,53.75 -49.25,54.25 -46.25,54.25 -15.25,54.25 18.75,54.25 -45,54.5 -11,54.5 23,54.5 -58.8,54.58 -57.8,54.58 -56.8,54.58 -55.8,54.58 -54.8,54.58 -53.8,54.58 -52.8,54.58 -41.8,54.58 -7.8,54.58 -6.8,54.58 26.2,54.58 27.2,54.58 50.2,54.58 51.2,54.58 52.2,54.58 53.2,54.58 54.2,54.58 55.2,54.58 56.2,54.58 57.2,54.58 58.2,54.58 59.2,54.58 -45,55.25 -44.25,55.25 -43.5,55.25 -11,55.25 -10.25,55.25 -9.5,55.25 23,55.25 23.75,55.25 24.5,55.25 -58.3,55.58 -57.3,55.58 -56.3,55.58 -55.3,55.58 -54.3,55.58 -53.3,55.58 -52.3,55.58 -51.3,55.58 -50.3,55.58 -49.3,55.58 -48.3,55.58 -47.3,55.58 -46.3,55.58 -42.3,55.58 -41.3,55.58 -18.3,55.58 -17.3,55.58 -16.3,55.58 -15.3,55.58 -14.3,55.58 -13.3,55.58 -12.3,55.58 -8.3,55.58 -7.3,55.58 -6.3,55.58 15.7,55.58 16.7,55.58 17.7,55.58 18.7,55.58 19.7,55.58 20.7,55.58 21.7,55.58 25.7,55.58 26.7,55.58 27.7,55.58 49.7,55.58 50.7,55.58 51.7,55.58 52.7,55.58 53.7,55.58 54.7,55.58 55.7,55.58 56.7,55.58 57.7,55.58 58.7,55.58
  other v3: -57,18.095 57,18.095 -55.095,20 55.095,20 58.905,20 -57,21.905 -57,48.095 57,48.095 -55.095,50 55.095,50 58.905,50 -57,51.905
  other v4: -58.905,20 57,21.905 -58.905,50 57,51.905
HV-: "J2_U_Gate Connector.01" R7.1 | length 13.4
  Layer 1 w0.254: R7.1@36.9,15.92 37.82,15 45.5,15 48,17.5 48,18.365
HV_SENSE: "J2_U_Gate Connector.02" R5.1 | length 15.5
  Layer 1 w0.254: R5.1@36.9,14.5 45.684,14.5 48.886,17.702 48.886,19.028 48.423,19.49 48.26,19.49 48.25,19.5
HV_TIE: "J2_U_Gate ConnectorCB.01" C2_U_Bias_HighC.2 C3_U_Bias_HighC.1 C4_U_Bias_HighC.1 C8.1 C11.1 C12.2 C14.1 C19_U_DriverC.2 C21_U_DriverC.1 C34.1 C35.1 D6_U_Bias_HighC.2 IC1_U_Bias_HighC.19 IC1_U_Bias_HighC.20 IC1_U_Bias_HighC.21 IC1_U_Bias_HighC.22 IC1_U_Bias_HighC.23 IC1_U_Bias_HighC.24 IC1_U_Bias_HighC.25 IC1_U_Bias_HighC.26 IC1_U_Bias_HighC.27 IC1_U_Bias_HighC.30 IC1_U_Bias_HighC.31 IC1_U_Bias_HighC.35 IC1_U_Bias_HighC.36 IC2_U_DriverC.9 IC3.2 IC3.7 IC3.8 R6_U_Bias_HighC.1 R7.2 R16_U_DriverC.2 | length 18
  Layer 1 w0.254: IC3.7@30.225,19.675 IC3.7@30.25,19.65 ; IC3.8@30.225,20.945 30.25,20.92 IC3.7@30.25,19.65 ; IC3.7@30.25,19.5 IC3.7@30.25,19.65 ; C35.1@32.25,15.31 33.56,15.31 C34.1@33.75,15.5 ; C8.1@33.25,11.75 33.17,11.83 33.17,13.98 C11.1@33.15,14 33.15,15.15 33.25,15.25 ; R7.2@35.75,15.92 35.675,15.92 34.453,17.142 34.083,17.142 32.3,18.925 C14.1@32.25,18.925 31.927,19.248 31.627,19.248 31.378,19.497 30.403,19.497 IC3.7@30.25,19.65
  Layer 1 w0.4: IC1_U_Bias_HighC.30@33.5,50.5 33.521,50.521 IC1_U_Bias_HighC.31@33.521,51.114 ; IC1_U_Bias_HighC.35@33.5,53.75 33.521,53.771 IC1_U_Bias_HighC.36@33.521,54.364 ; IC2_U_DriverC.9@33.686,25.73 36.73,25.73 C21_U_DriverC.1@36.75,25.75
  other v1: 31.25,13.25 33.5,13.5 30.25,20.25 33.5,24.5 34.5,24.5 35.5,24.5 36.5,24.5 37.5,24.5 33.5,25.25 34.5,25.25 36,25.75 38,25.75 42.5,29 43.5,29 42.5,31 43.5,31 33,42.25 33.75,42.25 34.5,42.25 33,43 33.75,43 34.5,43 34.5,43.75 34.5,44.5 34.5,45.25 34.5,46 43.5,46 34.5,46.75 35.25,46.75 34.5,47.5 35.25,47.5 34.5,48.25 35.25,48.25 44,49.5 34.5,51 41.25,51 43,51 35,51.25 36,51.25 36.75,52 39.75,52 36.75,52.75 39.75,52.75 41.25,52.75 43,52.75 34.5,53.75 34.5,54.5 37.5,55 33,55.25 33.75,55.25 34.5,55.25